# Altium PCB Gesturelink V1.PcbDoc (part 2 of 9)
Units mil, origin at the board's own origin, x right, y up, seen from the top; angles counter-clockwise.
Board outline 1574.8 x 1377.95 mil, 12 copper layers (SIG_1, GND_1, HI_SPEED_SIG_1, HI_SPEED_SIG_2, GND_2, PWR_1, PWR_2, GND_3, SIG_2, SIG_3, GND, SIG_4), stack 76.312 mil thick; 506 components, 440 nets, 2250 pads, 1330 vias.
Unrouted connection lines stored in the file: 20.
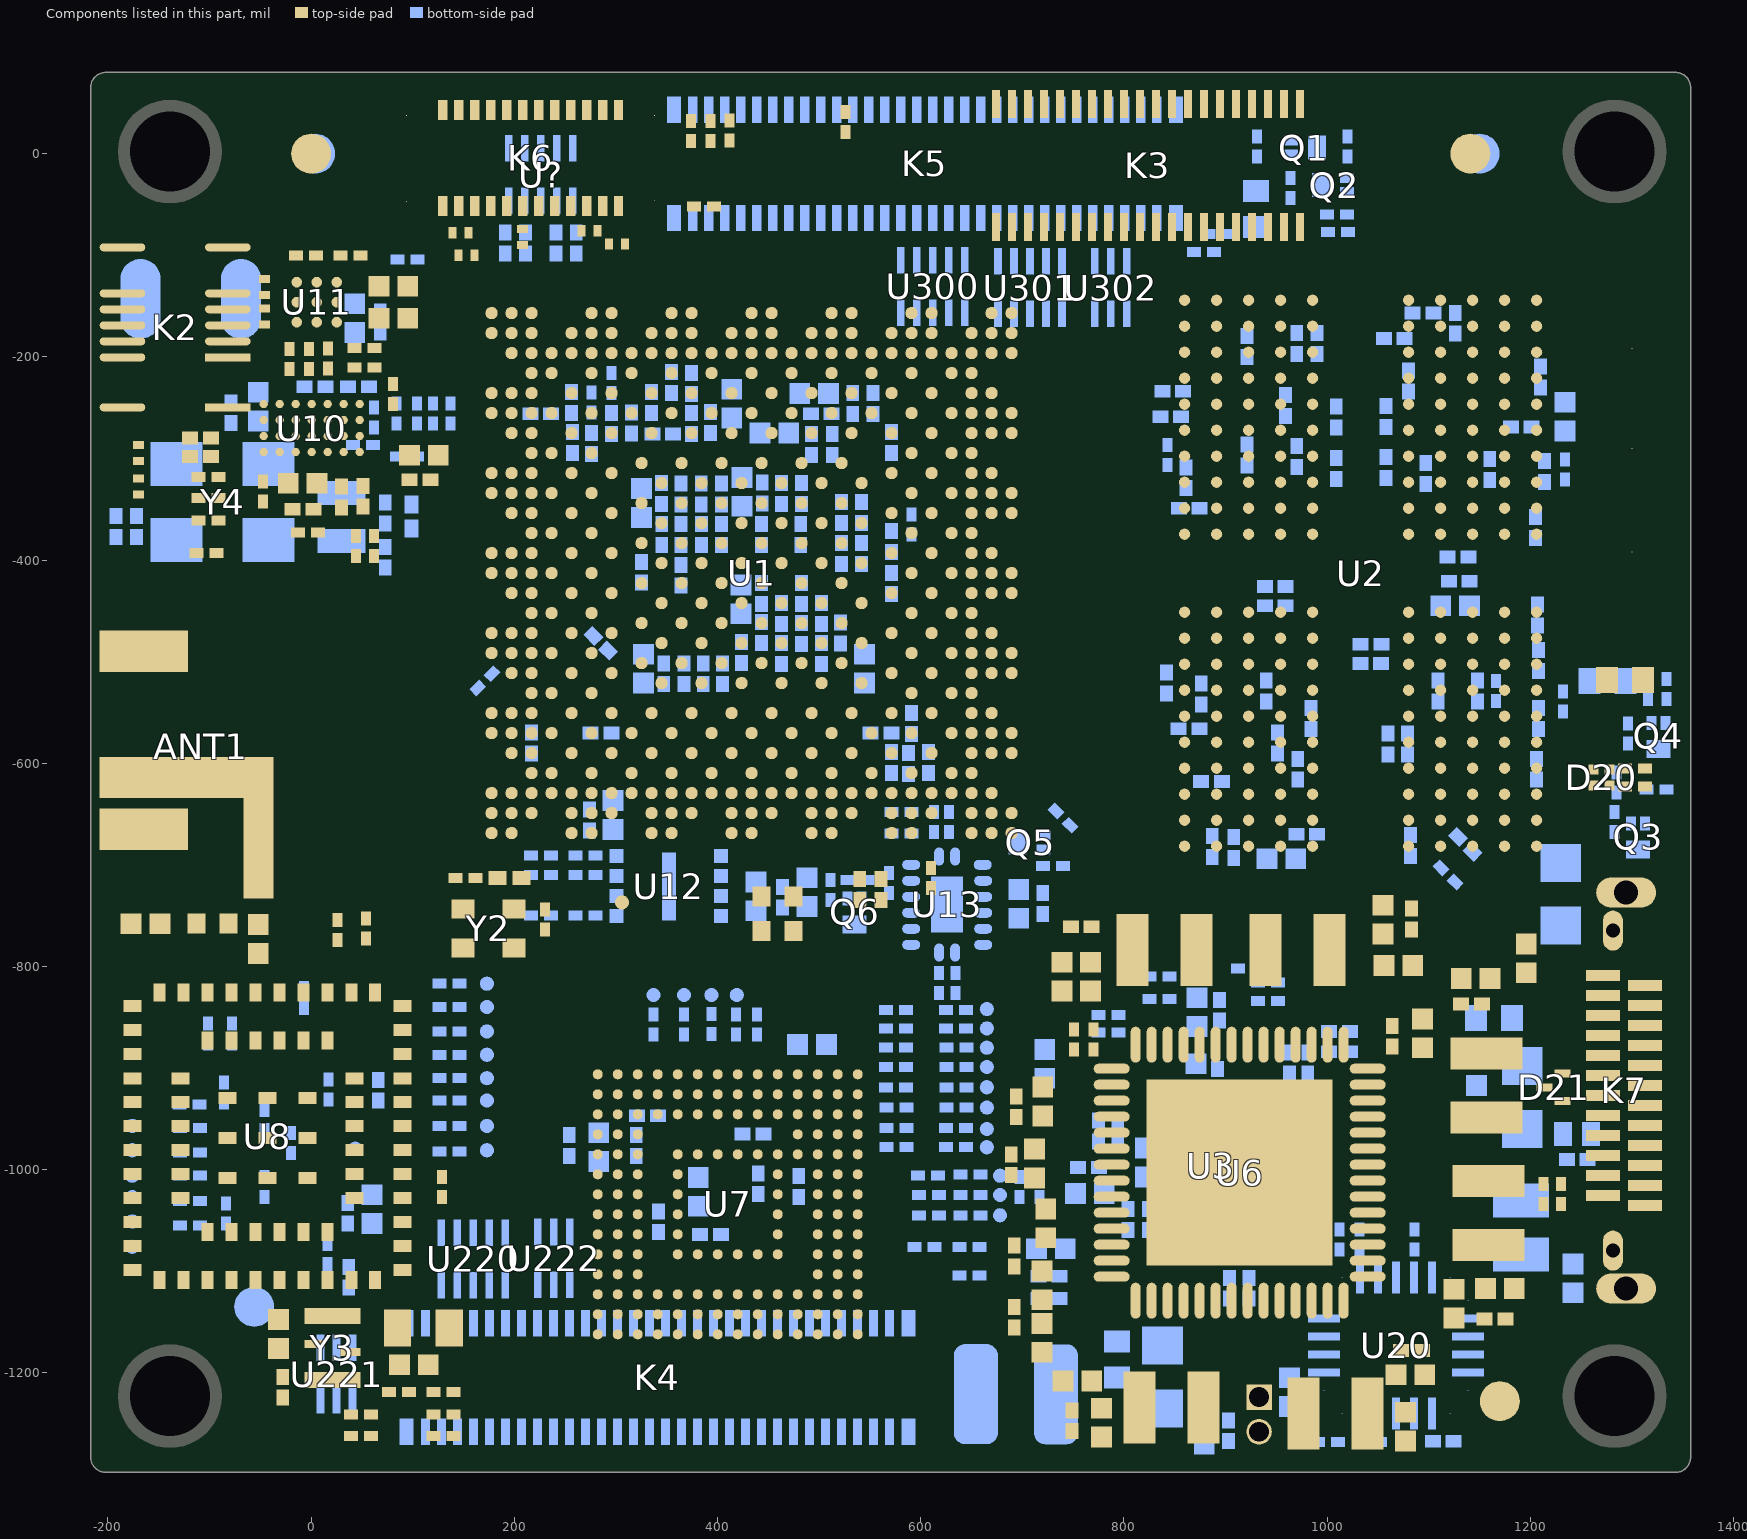
[diagram p12: the components of this part, seen from the top]

## Components (designator, comment, footprint, x,y, rotation, side; value= is the part's Value field where it differs from the comment) (continued)
C136 "0.1uF" CAPC0603X03L 1130,-420.99 r0 bottom
C138 "0.1uF" CAPC0603X03L 980,-669.99 r180 bottom
C139 "0.1uF" CAPC0603X03L 876,-531.76 r90 bottom
C140 "0.1uF" CAPC0603X03L 1126,-166.99 r90 bottom
C141 "0.1uF" CAPC0603X03L 949,-444.99 r180 bottom
C142 "0.1uF" CAPC0603X03L 1009,-309.99 r270 bottom
C143 "0.1uF" CAPC0603X03L 984,-555.99 r90 bottom
C144 "0.1uF" CAPC0603X03L 1207,-453.99 r270 bottom
C145 "0.1uF" CAPC0603X03L 1128.76,-396.99 r0 bottom
C146 "0.1uF" CAPC0603X03L 864.24,-348.99 r0 bottom
C147 "0.1uF" CAPC0603X03L 1214,-312.99 r270 bottom
C148 "0.1uF" CAPC0603X03L 1043,-501.99 r180 bottom
C149 "0.1uF" CAPC0603X03L 861,-318.99 r90 bottom
C150 "0.1uF" CAPC0603X03L 1043.24,-482.99 r180 bottom
C151 "0.1uF" CAPC0603X03L 1079,-580.99 r270 bottom
C152 "0.1uF" CAPC0603X03L 1246.24,-989.99 r180 bottom
C153 "4.7uF" CAPC1005X06L 1147,-902.99 r270 bottom
C154 "GRM033R61A225KE47D" CAPC0603X03L 873,-952.99 r0 bottom
C159 "0.1uF" CAPC0603X03L 981,-894.99 r270 bottom
C160 "GRT155R61A106ME13J" CAPC1005X06L 963,-971.99 r90 bottom
C161 "0.1uF" CAPC0603X03L 804,-1049.23 r270 bottom
C162 "GRT155R61A106ME13J" CAPC1005X06L 728,-1077.99 r0 bottom
C163 "0.1uF" CAPC0603X03L 904,-1116.76 r270 bottom
C164 "GRT155R61A106ME13J" CAPC1005X06L 722,-895.99 r270 bottom
C165 "0.1uF" CAPC0603X03L 963,-894.99 r270 bottom
C166 "GRT155R61A106ME13J" CAPC1005X06L 992,-973.99 r90 bottom
C167 "0.1uF" CAPC0603X03L 892,-910.99 r90 bottom
C168 "GRT155R61A106ME13J" CAPC1005X06L 871,-909.99 r90 bottom
C169 "0.1uF" CAPC0603X03L 894,-843.23 r270 bottom
C170 "GRT155R61A106ME13J" CAPC1005X06L 872,-844.99 r270 bottom
C171 "0.1uF" CAPC0603X03L 726.24,-1104.99 r0 bottom
C172 "4.7uF" CAPC1005X06L 766.5,-1023.49 r180 bottom
C173 "0.1uF" CAPC0603X03L 794,-961.99 r90 bottom locked
C174 "GRM033R61C105ME15D" CAPC0603X03L 775,-961.99 r90 bottom locked
C175 "0.1uF" CAPC0603X03L 824,-1049.23 r270 bottom
C176 "GRM033R61C105ME15D" CAPC0603X03L 765,-997.99 r180 bottom
C177 "0.1uF" CAPC0603X03L 1012.24,-883.99 r0 bottom
C178 "GRM033R61C105ME15D" CAPC0603X03L 1012.24,-863.99 r0 bottom
C179 "0.1uF" CAPC0603X03L 726.24,-1126.99 r0 bottom
C180 "GRM033R61C105ME15D" CAPC0603X03L 923,-1116.76 r270 bottom
C181 "GRM158R61A226ME15D" CAPC1005X06L 739,-809.99 r90 top
C182 "GRM158R61A226ME15D" CAPC1005X06L 767,-809.99 r90 top
C183 "0.1uF" CAPC0603X03L 758,-760.99 r0 top
C184 "GRM158R61A226ME15D" CAPC1005X06L 1070,-798.99 r180 top
C185 "GRM158R61A226ME15D" CAPC1005X06L 1055,-753.99 r270 top
C186 "0.1uF" CAPC0603X03L 1083,-753.23 r270 top
C187 "GRM158R61A226ME15D" CAPC1005X06L 1170,-1116.99 r180 top
C188 "GRM158R61A226ME15D" CAPC1005X06L 1125,-1131.99 r90 top
C189 "0.1uF" CAPC0603X03L 1165.24,-1146.99 r180 top
C190 "GRM158R61A226ME15D" CAPC1005X06L 778,-1248.99 r90 top
C191 "GRM158R61A226ME15D" CAPC1005X06L 754.17,-1207.99 r0 top
C192 "0.1uF" CAPC0603X03L 749,-1247.23 r90 top
C193 "GRM158R61A226ME15D" CAPC1005X06L 1077,-1252.99 r90 top
C194 "GRM158R61A226ME15D" CAPC1005X06L 1082,-1201.99 r180 top
C195 "0.1uF" CAPC0603X03L 1083,-1177.99 r180 top
C196 "GRM158R61A226ME15D" CAPC1005X06L 1196,-791.99 r270 top
C197 "GRM158R61A226ME15D" CAPC1005X06L 1146.17,-811.99 r0 top
C198 "0.1uF" CAPC0603X03L 1142.24,-836.99 r0 top
C199 "GRT155R61A106ME13J" CAPC1005X06L 720,-932.99 r270 top
C200 "0.1uF" CAPC0603X03L 694,-938.23 r270 top
C201 "GRT155R61A106ME13J" CAPC1005X06L 712,-993.99 r270 top
C202 "0.1uF" CAPC0603X03L 689,-995.23 r270 top
C203 "GRT155R61A106ME13J" CAPC1005X06L 719.5,-1113.99 r90 top
C204 "0.1uF" CAPC0603X03L 692,-1084.99 r270 top
C205 "GRT155R61A106ME13J" CAPC1005X06L 1094,-865.82 r90 top
C206 "0.1uF" CAPC0603X03L 1064,-868.76 r90 top
C207 "4.7uF" CAPC1005X06L 719.5,-1165.58 r270 top
C208 "0.1uF" CAPC0603X03L 692,-1145.23 r270 top
C211 "4.7uF" CAPC1005X06L 723,-1052.99 r90 top
C216 "4.7uF" CAPC1005X06L 381,-1021.99 r270 bottom
C217 "0.1uF" CAPC0603X03L 393,-1063.99 r180 bottom
C218 "0.1uF" CAPC0603X03L 342,-1051.23 r270 bottom
C219 "0.1uF" CAPC0603X03L 435,-964.99 r0 bottom
C220 "0.1uF" CAPC0603X03L 440,-1013.99 r90 bottom
C221 "4.7uF" CAPC1005X06L 283,-977.99 r90 bottom
C222 "0.1uF" CAPC0603X03L 320,-976.23 r90 bottom
C223 "0.1uF" CAPC0603X03L 331,-946.99 r180 bottom
C224 "0.1uF" CAPC0603X03L 254,-976.23 r270 bottom
C225 "0.1uF" CAPC0603X03L 480,-1016.76 r90 bottom
C226 "4.7uF" CAPC1005X06L 493,-876.99 r0 bottom
C227 "4.7uF" CAPC1005X06L 60,-1038.99 r270 bottom
C228 "0.1uF" CAPC0603X03L 36,-1042.99 r270 bottom
C229 "0.1uF" CAPC0603X03L 37,-1105.99 r90 bottom
C230 "4.7uF" CAPC1005X06L -32,-1161.82 r270 top
C231 "0.1uF" CAPC0603X03L -28,-1214.23 r90 top
C232 "GRT155R61A106ME13J" CAPC1005X06L 101,-1191.99 r180 top
C233 "0.1uF" CAPC0603X03L 66,-921.99 r90 bottom
C234 "CC0402KRX5R6BB394" CAPC1005X06L 81,-161.99 r180 top
C239 "CC0402KRX5R6BB394" CAPC1005X06L 80.9,-130.5 r180 top
C244 "0.1uF" CAPC0603X03L 68,-165.76 r90 bottom
C245 "GRT155R61A106ME13J" CAPC1005X06L 43,-161.99 r90 bottom
C246 "GRM033R61C105ME15D" CAPC0603X03L 51,-337.23 r90 top
C247 "0.1uF" CAPC0603X03L 30,-337.99 r90 top
C248 "0.1uF" CAPC0603X03L -79,-254.99 r270 bottom
C249 "GRT155R61A106ME13J" CAPC1005X06L -52,-248.99 r270 bottom
C250 "0.1uF" CAPC0603X03L 46.74,-229.5 r180 bottom
C251 "GRT155R61A106ME13J" CAPC1005X06L 111,-296.99 r180 top
C252 "0.1uF" CAPC0603X03L 107.24,-320.99 r180 top
C253 "0.1uF" CAPC0603X03L -8,-349.99 r180 top
C254 "GRT155R61A106ME13J" CAPC1005X06L -8.26,-324.5 r180 top
C255 "GRM033R61C183KE84D" CAPC0603X03L -108.92,-297.99 r180 top
C256 "GRM033R61C183KE84D" CAPC0603X03L -109,-279.99 r180 top
C257 "GRM033R61C105ME15D" CAPC0603X03L -192,-366.99 r270 bottom
C258 "0.1uF" CAPC0603X03L -172,-366.99 r270 bottom
C259 "0.1uF" CAPC0603X03L 261,-87.99 r270 bottom locked
C260 "0.1uF" CAPC0603X03L 241,-87.99 r270 bottom
C261 "0.1uF" CAPC0603X03L 211,-87.99 r270 bottom
C262 "0.1uF" CAPC0603X03L 191,-87.99 r270 bottom locked
C263 "4.7uF" CAPC1005X06L 438,-730.99 r90 bottom
C264 "0.1uF" CAPC0603X03L 464,-731.99 r90 bottom
C265 "4.7uF" CAPC1005X06L 696.43,-738.47 r270 bottom
C266 "0.1uF" CAPC0603X03L 720,-738.23 r270 bottom
C270 "4.7uF" CAPC1005X06L 488,-726.99 r90 bottom
C271 "0.1uF" CAPC0603X03L 903,-1256.99 r90 bottom
C272 "4.7uF" CAPC1005X06L 879,-1255.82 r90 bottom
C273 "GRT033R61C473KE01J" CAPC0603X03L 1114.33,-1267.33 r180 bottom
C274 "GRM155R61A106ME11D" CAPC1005X06L 1242,-1106.99 r270 bottom
C275 "GRM155R61A106ME11D" CAPC1005X06L 963,-1218.99 r270 bottom
C276 "4.7uF" CAPC1005X06L 821,-992.99 r90 bottom
C277 "0.1uF" CAPC0603X03L 845,-988.99 r90 bottom
C300 "GRM033R61C105ME15D" CAPC0603X03L 3.74,-229.5 r0 bottom
D1 "BZX884B15L-G3-08" BZX884B15L-G3-08 1245,-964.99 r180 bottom
D2 "PESD5V0H1BSFYL" FP-SOD962-2-MFG -170,-294.87 r90 top value=0.15pF
D3 "PESD5V0H1BSFYL" FP-SOD962-2-MFG -170,-327.87 r270 top value=0.15pF
D4 "PESD5V0H1BSFYL" FP-SOD962-2-MFG -46,-160.12 r270 top value=0.15pF
D5 "PESD5V0H1BSFYL" FP-SOD962-2-MFG -46,-131.12 r90 top locked value=0.15pF
D10 "PESD5V0H1BSFYL" FP-SOD962-2-MFG 300.87,-88.99 r0 top value=0.15pF
D11 "PESD5V0H1BSFYL" FP-SOD962-2-MFG 273.87,-75.99 r0 top value=0.15pF
D12 "PESD5V0H1BSFYL" FP-SOD962-2-MFG 153.13,-99.99 r180 top value=0.15pF
D13 "PESD5V0H1BSFYL" FP-SOD962-2-MFG 208,-81.87 r270 top locked value=0.15pF
D14 "PESD5V0H1BSFYL" FP-SOD962-2-MFG 147.13,-77.99 r180 top value=0.15pF
D15 "RCLAMP04041PW.C" RCLAMP04041PW.C 1166,-850.99 r0 bottom
D17 "RCLAMP04041PW.C" RCLAMP04041PW.C 1274,-518.99 r180 bottom
D18 "RCLAMP04041PW.C" RCLAMP04041PW.C 1295,-517.99 r0 top
D20 "APGB0607G22R23C" LED_APGB0607G22R23C 1270,-613.99 r90 top
D21 "RCLAMP3552TQTNT" RCLAMP3552TQTNT 1223,-918.99 r90 top
D23 "RCLAMP04041PW.C" RCLAMP04041PW.C 930,-52.74 r90 bottom
D30 "RCLAMP04041PW.C" RCLAMP04041PW.C 793,-1184.99 r90 bottom
DNC "ERJ-1GN0R00C" RESC0603X03L 54,-762.83 r90 top
DNC1 "RF_GND_PI" CAPC1005X06L -163,-757.99 r0 top
DNC2 "DNC RF Inductor" RESC1005X04L -97,-757.99 r0 top
DNC3 "RF_GND_PI" CAPC1005X06L -52,-772.99 r90 top
DNC20 "CRCW04020000Z0EDHP" RESC1005X04L 459,-730.99 r180 top
DNC_4 "ERJ-1GN0R00C" RESC0603X03L 49,-1261.99 r180 top
DNC_5 "ERJ-1GN0R00C" RESC0603X03L 49,-1240.99 r180 top
DNC_6 "ERJ-1GN0R00C" RESC0603X03L 86.34,-1219 r180 top
F1 "0603L150SLYR" FUSC1608X100N 1192,-928.99 r90 bottom
F2 "0603L150SLYR" FUSC1608X100N 1230,-728.99 r270 bottom
F3 "0603L150SLYR" FUSC1608X100N 838,-1203.99 r270 bottom
FD1 "Fiducial" Fiducial 1170,-1227.99 r0 top
FD2 "Fiducial" Fiducial 1141,0 r0 top
FD3 "Fiducial" Fiducial 0,0 r0 top
FD4 "Fiducial" Fiducial 1150,0 r180 bottom
FD5 "Fiducial" Fiducial 4,0 r180 bottom locked
FD6 "Fiducial" Fiducial -56,-1134.99 r180 bottom
K1 "pad input for battery" "pad power input" 733,-1221.99 r180 bottom
K2 "DF40C-10DS-0.4V(51)" DF40C-10DS-0.4V(51) -87,-200.49 r180 top locked
K3 "DF40C" HIROSE_DF40C-40DS-0.4V(51) 823.63,-11.68 r180 top locked
K4 "DF40C-60DP-0.4V(51)" HIROSE_DF40C-60DP-0.4V(51) 340.85,-1204.65 r0 bottom locked
K5 "DF40C-60DP-0.4V(51)" HIROSE_DF40C-60DP-0.4V(51) 604,-9.99 r0 bottom locked
K6 "YXT-BB10-24S-02" YXT_BB10_24S_02 302.74,43.01 r180 top locked
K7 "DX07W024JA1R1000" JAE_DX07W024JA1R1000 1281.31,-922.23 r90 top locked
L1 "0.68uH" 1285ASH1R0MP2 840,-783.99 r180 top
L2 "0.68uH" 1285ASH1R0MP2 971,-783.99 r0 top
L3 "2.2uH" 1285ASH1R0MP2 1159,-1042.49 r270 top
L4 "2.2uH" 1285ASH1R0MP2 847,-1233.99 r180 top locked
L5 "0.68uH" 1285ASH1R0MP2 1008,-1239.99 r0 top
L6 "0.68uH" 1285ASH1R0MP2 1157,-916.99 r90 top
L10 "LQM18PN2R2MGHD" INDC1608LPX08L 110,-1155.99 r0 top
L11 "IHHP0805ZHER1R0M01" "IHHP0805ZHER1R0M01 - duplicate" 1191,-1056.99 r90 bottom
NTC1 "B57540G1103F000" B57540G1103F000 934,-1224.99 r0 top
P1 "Pogo pin Pad" S70-220101045R#1 -70.12,-138.24 r270 top
P2 "Pogo pin Pad" S70-220101045R#2 -169,-137.99 r270 top
P5 "Pad for Bat" "Pad for Bat"#1 1298.66,-191.61 r270 top
P6 "Pad for Bat" "Pad for Bat"#1 1298.66,-391.61 r270 top
P7 "Pad for Bat" "Pad for Bat"#2 1298,-289.99 r270 top
Q1 "SSM3K15ACT,L3F" SSM3K15ACT 977,6.01 r0 bottom
Q2 "SSM3K15ACT,L3F" SSM3K15ACT 1006.8,-30.99 r180 bottom
Q3 "SSM3K15ACT,L3F" SSM3K15ACT 1306,-672.2 r270 bottom
Q4 "SSM3K15ACT,L3F" SSM3K15ACT 1326,-572.99 r270 bottom
Q5 "SSM3K15ACT,L3F" SSM3K15ACT 708,-677.99 r180 bottom
Q6 "SSM3K15ACT,L3F" SSM3K15ACT 535,-745.99 r270 bottom
R1 "ERJ-1GNF1004C" RESC0603X03N 98.86,-357.28 r270 bottom
R2 "ERJ-1GNF1004C" RESC0603X03N 195,-712.99 r0 top
R3 "ERJ-1GNF1002C" RESC0603X03L 171,-518.99 r45 bottom locked
R4 "ERA-1AEB201C" RESC0603X03L 740.04,-654.03 r315 bottom
R5 "ERJ-1GNF2491C" RESC0603X03L 276,-244.99 r270 bottom
R6 "ERJ-1GNF2400C" RESC0603X03L 591,-364.99 r270 bottom locked
R7 "ERJ-1GNF2491C" RESC0603X03L 295.68,-225.83 r270 bottom locked
R8 "ERJ-1GNF1003C" RESC0603X03L 843,-296.83 r90 bottom
R9 "ERJ-1GNF1003C" RESC0603X03L 1232,-539.15 r90 bottom
R10 "ERJ-1GNF1003C" RESC0603X03L 1234,-310.99 r90 bottom
R11 "ERJ-1GNF2400C" RESC0603X03L 1119,-709.99 r135 bottom
R12 "ERJ-1GNF2400C" RESC0603X03L 1166,-528.83 r90 bottom
R13 "RC0201FR-072K2L" RESC0603X03L 716.75,-1017.24 r90 bottom
R14 "RC0201FR-072K2L" RESC0603X03L 697,-1017.15 r90 bottom
R15 "ERJ-1GNF1002C" RESC0603X03L 922,-801.99 r0 bottom
R16 "ERJ-1GNF33R0C" RESC0603X03L 941.84,-833.99 r180 bottom
R17 "ERJ-1GNF33R0C" RESC0603X03L 1032,-1068.99 r270 bottom
R18 "ERJ-1GNF33R0C" RESC0603X03L 1012,-1068.99 r270 bottom
R19 "ERJ-1GNF33R0C" RESC0603X03L 942,-815.99 r0 bottom
R20 "ERJ-1GNF33R0C" RESC0603X03L 904,-1057.83 r90 bottom
R21 "ERJ-1GNF1002C" RESC0603X03L 919,-1058.83 r270 bottom
R22 "ERJ-1GNF1002C" RESC0603X03L 875,-1040.99 r180 bottom
R26 "RC0201FR-072K2L" RESC0603X03L 607.16,-1005.99 r0 bottom
R27 "RC0201FR-072K2L" RESC0603X03L 608,-1024.99 r0 bottom
R28 "ERJ-1GNF1002C" RESC0603X03L 608,-1044.99 r0 bottom
R29 "ERJ-1GNF1002C" RESC0603X03L 603.84,-1075.99 r0 bottom
R30 "ERJ-1GNF33R0C" RESC0603X03L 648,-1103.99 r0 bottom
R31 "ERJ-1GNF33R0C" RESC0603X03L 648,-1075.99 r0 bottom
R32 "ERJ-1GNF33R0C" RESC0603X03L 648.84,-1044.99 r0 bottom
R33 "ERJ-1GNF33R0C" RESC0603X03L 648.84,-1024.99 r0 bottom
R34 "ERJ-1GNF33R0C" RESC0603X03L 648.84,-1004.99 r0 bottom
R35 "ERJ-1GNF33R0C" RESC0603X03L 835,-831.99 r0 bottom
R36 "ERJ-1GNF33R0C" RESC0603X03L 770,-871.83 r90 top
R37 "ERJ-1GNF33R0C" RESC0603X03L 785,-864.99 r180 bottom
R38 "ERJ-1GNF1002C" RESC0603X03L 835,-809.99 r0 bottom
R39 "ERJ-1GNF1002C" RESC0603X03L 751,-871.99 r90 top
R40 "ERJ-1GNF1002C" RESC0603X03L 785,-847.99 r180 bottom
R44 "ERJ-1GNF1002C" RESC0603X03L 439,-857.15 r90 bottom
R45 "ERJ-1GNF1002C" RESC0603X03L 575.76,-879.99 r180 bottom
R46 "ERJ-1GNF1002C" RESC0603X03L 575.76,-918.99 r180 bottom
R47 "ERJ-1GNF1002C" RESC0603X03L 575.92,-958.99 r180 bottom
R48 "ERJ-1GNF1002C" RESC0603X03L 575.61,-842.99 r180 bottom
R49 "ERJ-1GNF1002C" RESC0603X03L 575.76,-860.99 r180 bottom
R50 "ERJ-1GNF1002C" RESC0603X03L 575.76,-898.99 r180 bottom
R51 "ERJ-1GNF1002C" RESC0603X03L 575.92,-938.99 r180 bottom
R52 "ERJ-1GNF1002C" RESC0603X03L 575.92,-977.99 r180 bottom
R53 "ERJ-1GNF33R0C" RESC0603X03L 635.08,-879.99 r180 bottom
R54 "ERJ-1GNF33R0C" RESC0603X03L 635.08,-918.99 r180 bottom
R55 "ERJ-1GNF33R0C" RESC0603X03L 634.92,-958.99 r180 bottom
R56 "ERJ-1GNF33R0C" RESC0603X03L 634.92,-842.99 r180 bottom
R57 "ERJ-1GNF33R0C" RESC0603X03L 634.92,-860.99 r180 bottom
R58 "ERJ-1GNF33R0C" RESC0603X03L 635.08,-898.99 r180 bottom
R59 "ERJ-1GNF33R0C" RESC0603X03L 635.24,-938.99 r180 bottom
R60 "ERJ-1GNF33R0C" RESC0603X03L 634.92,-977.99 r180 bottom
R61 "ERJ-1GNF33R0C" RESC0603X03L 394,-856.83 r270 bottom
R62 "ERJ-1GNF33R0C" RESC0603X03L 418,-856.99 r270 bottom
R63 "ERJ-1GNF33R0C" RESC0603X03L 337,-857.15 r270 bottom
R64 "ERJ-1GNF33R0C" RESC0603X03L 367,-857.15 r270 bottom
R65 "CRCW04020000Z0EDHP" RESC1005X04L 459,-764.99 r180 top
R66 "ERJ-1GNF1002C" RESC0603X03L 129,-1016.99 r270 top
R67 "ERJ-1GNF1002C" RESC0603X03L 16,-1082.99 r90 bottom
R68 "ERJ-1GNF1002C" RESC0603X03L -84,-1042.99 r270 bottom
R69 "AC0201FR-0747KL" RESC0603X03L -45.98,-1016.99 r270 bottom
R70 "AC0201FR-0747KL" RESC0603X03L -20,-973.99 r90 bottom
R71 "AC0201FR-0747KL" RESC0603X03L -45.98,-950.99 r90 bottom
R72 "AC0201FR-0747KL" RESC0603X03L -86,-924.15 r90 bottom
R73 "ERJ-1GNF33R0C" RESC0603X03L 135.99,-981.99 r180 bottom
R74 "ERJ-1GNF33R0C" RESC0603X03L 135.99,-956.99 r180 bottom
R75 "ERJ-1GNF33R0C" RESC0603X03L 135.99,-931.99 r180 bottom
R76 "ERJ-1GNF33R0C" RESC0603X03L 135.99,-909.99 r180 bottom
R77 "ERJ-1GNF33R0C" RESC0603X03L 135.99,-886.99 r180 bottom
R78 "ERJ-1GNF33R0C" RESC0603X03L 135.99,-863.99 r180 bottom
R79 "ERJ-1GNF33R0C" RESC0603X03L 135.99,-839.99 r180 bottom
R80 "ERJ-1GNF33R0C" RESC0603X03L 136,-816.99 r180 bottom
R82 "ERJ-1GNF33R0C" RESC0603X03L -78,-866.15 r90 bottom
R83 "ERJ-1GNF33R0C" RESC0603X03L -101.62,-866.15 r90 bottom
R84 "ERJ-1GNF33R0C" RESC0603X03L -119.84,-935.99 r180 bottom
R85 "ERJ-1GNF33R0C" RESC0603X03L -119.16,-982.99 r180 bottom
R86 "ERJ-1GNF33R0C" RESC0603X03L -119.16,-1005.99 r180 bottom
R87 "ERJ-1GNF33R0C" RESC0603X03L -119.16,-1030.99 r180 bottom
R88 "ERJ-1GNF33R0C" RESC0603X03L -119.16,-1054.99 r180 bottom
R89 "ERJ-1GN0R00C" RESC0603X03L 26,-763.99 r90 top
R90 "ERJ-1GNF1002C" RESC0603X03L -7,-831.15 r90 bottom
R91 "AC0201FR-074K75L" RESC0603X03L 17,-920.99 r270 bottom
R92 "ERJ-1GNF1002C" RESC0603X03L 130.16,-1261.99 r180 top
R93 "ERJ-1GNF1002C" RESC0603X03L 130.16,-1241.01 r180 top
R94 "ERJ-1GNF1002C" RESC0603X03L 130.16,-1219 r180 top
R103 "ERJ-1GNF33R0C" RESC0603X03L 38.9,-100.5 r180 top
R104 "ERJ-1GNF33R0C" RESC0603X03L 16.74,-201.5 r90 top
R105 "ERJ-1GNF33R0C" RESC0603X03L -21.26,-201.99 r90 top
R106 "ERJ-1GNF1002C" RESC0603X03L -2,-201.99 r90 top
R107 "ERJ-1GNF1002C" RESC0603X03L -5.26,-100.5 r180 top
R109 "ERJ-1GNF33R0C" RESC0603X03L -47.26,-332.34 r90 top
R110 "ERJ-1GNF33R0C" RESC0603X03L -3,-372.99 r180 top
R111 "ERJ-1GNF33R0C" RESC0603X03L 52.74,-191.5 r180 top
R112 "ERJ-1GNF33R0C" RESC0603X03L -100.92,-360.99 r0 top
R113 "ERJ-1GNF33R0C" RESC0603X03L -100.92,-338.99 r0 top
R114 "ERJ-1GNF33R0C" RESC0603X03L -100.92,-318.49 r0 top
R115 "ERJ-1GNF33R0C" RESC0603X03L 80.74,-236.5 r90 top
R116 "ERJ-1GNF33R0C" RESC0603X03L 52.74,-210.5 r0 top
R118 "ERJ-1GN0R00C" RESC0603X03L 62,-386.15 r270 top
R119 "ERJ-1GN0R00C" RESC0603X03L 44,-386.15 r270 top
R120 "ERJ-1GNF1002C" RESC0603X03L 374,22.01 r90 top
R121 "ERJ-1GNF1002C" RESC0603X03L 393,22.01 r90 top
R122 "ERJ-1GNF1002C" RESC0603X03L 412,22.85 r90 top
R123 "ERJ-1GNF1002C" RESC0603X03L 526,31.17 r90 top
R125 "ERJ-1GNF1002C" RESC0603X03L 386.84,-51.99 r180 top
R128 "ERJ-1GNF1003C" RESC0603X03L 931,7.01 r270 bottom
R129 "ERJ-1GNF1001C" RESC0603X03L 964,-33.99 r270 bottom
R130 "ERJ-1GNF1002C" RESC0603X03L 1020,7.01 r90 bottom
R131 "ERJ-1GN0R00C" RESC0603X03L 1009.84,-59.99 r0 bottom
R132 "ERJ-1GN0R00C" RESC0603X03L 1010.84,-76.99 r0 bottom
R133 "ERJ-1GNF33R0C" RESC0603X03L 104,-255.99 r90 bottom
R134 "ERJ-1GNF33R0C" RESC0603X03L 120,-255.83 r90 bottom
R135 "ERJ-1GNF33R0C" RESC0603X03L 137,-255.83 r90 bottom
R136 "ERJ-1GNF33R0C" RESC0603X03L 84,-255.83 r90 bottom
R137 "ERJ-1GNF33R0C" RESC0603X03L 62,-259.98 r90 bottom
R138 "ERJ-1GNF1002C" RESC0603X03L 51.16,-286.99 r0 bottom
R139 "ERJ-1GNF1002C" RESC0603X03L 94.84,-103.99 r180 bottom
R140 "ERJ-1GNF1002C" RESC0603X03L 94.16,-297.99 r0 bottom
R141 "ERJ-1GNF33R0C" RESC0603X03L 269.84,-690.99 r180 bottom
R142 "ERJ-1GNF33R0C" RESC0603X03L 269.84,-709.99 r180 bottom
R143 "ERJ-1GNF33R0C" RESC0603X03L 270,-749.99 r180 bottom
R144 "ERJ-1GNF1002C" RESC0603X03L 226.16,-690.99 r0 bottom
R145 "RC0201FR-072K2L" RESC0603X03L 226.16,-709.99 r0 bottom
R146 "RC0201FR-072K2L" RESC0603X03L 226,-749.99 r0 bottom
R147 "ERJ-1GNF5101C" RESC0603X03L 1213,-1024.15 r270 top
R148 "ERJ-1GNF33R0C" RESC0603X03L 581,-647.99 r0 bottom